# Altium PCB MCU065E1_LAUNCHCC3235MODA_PCB.PcbDoc (part 1 of 4) (continued)
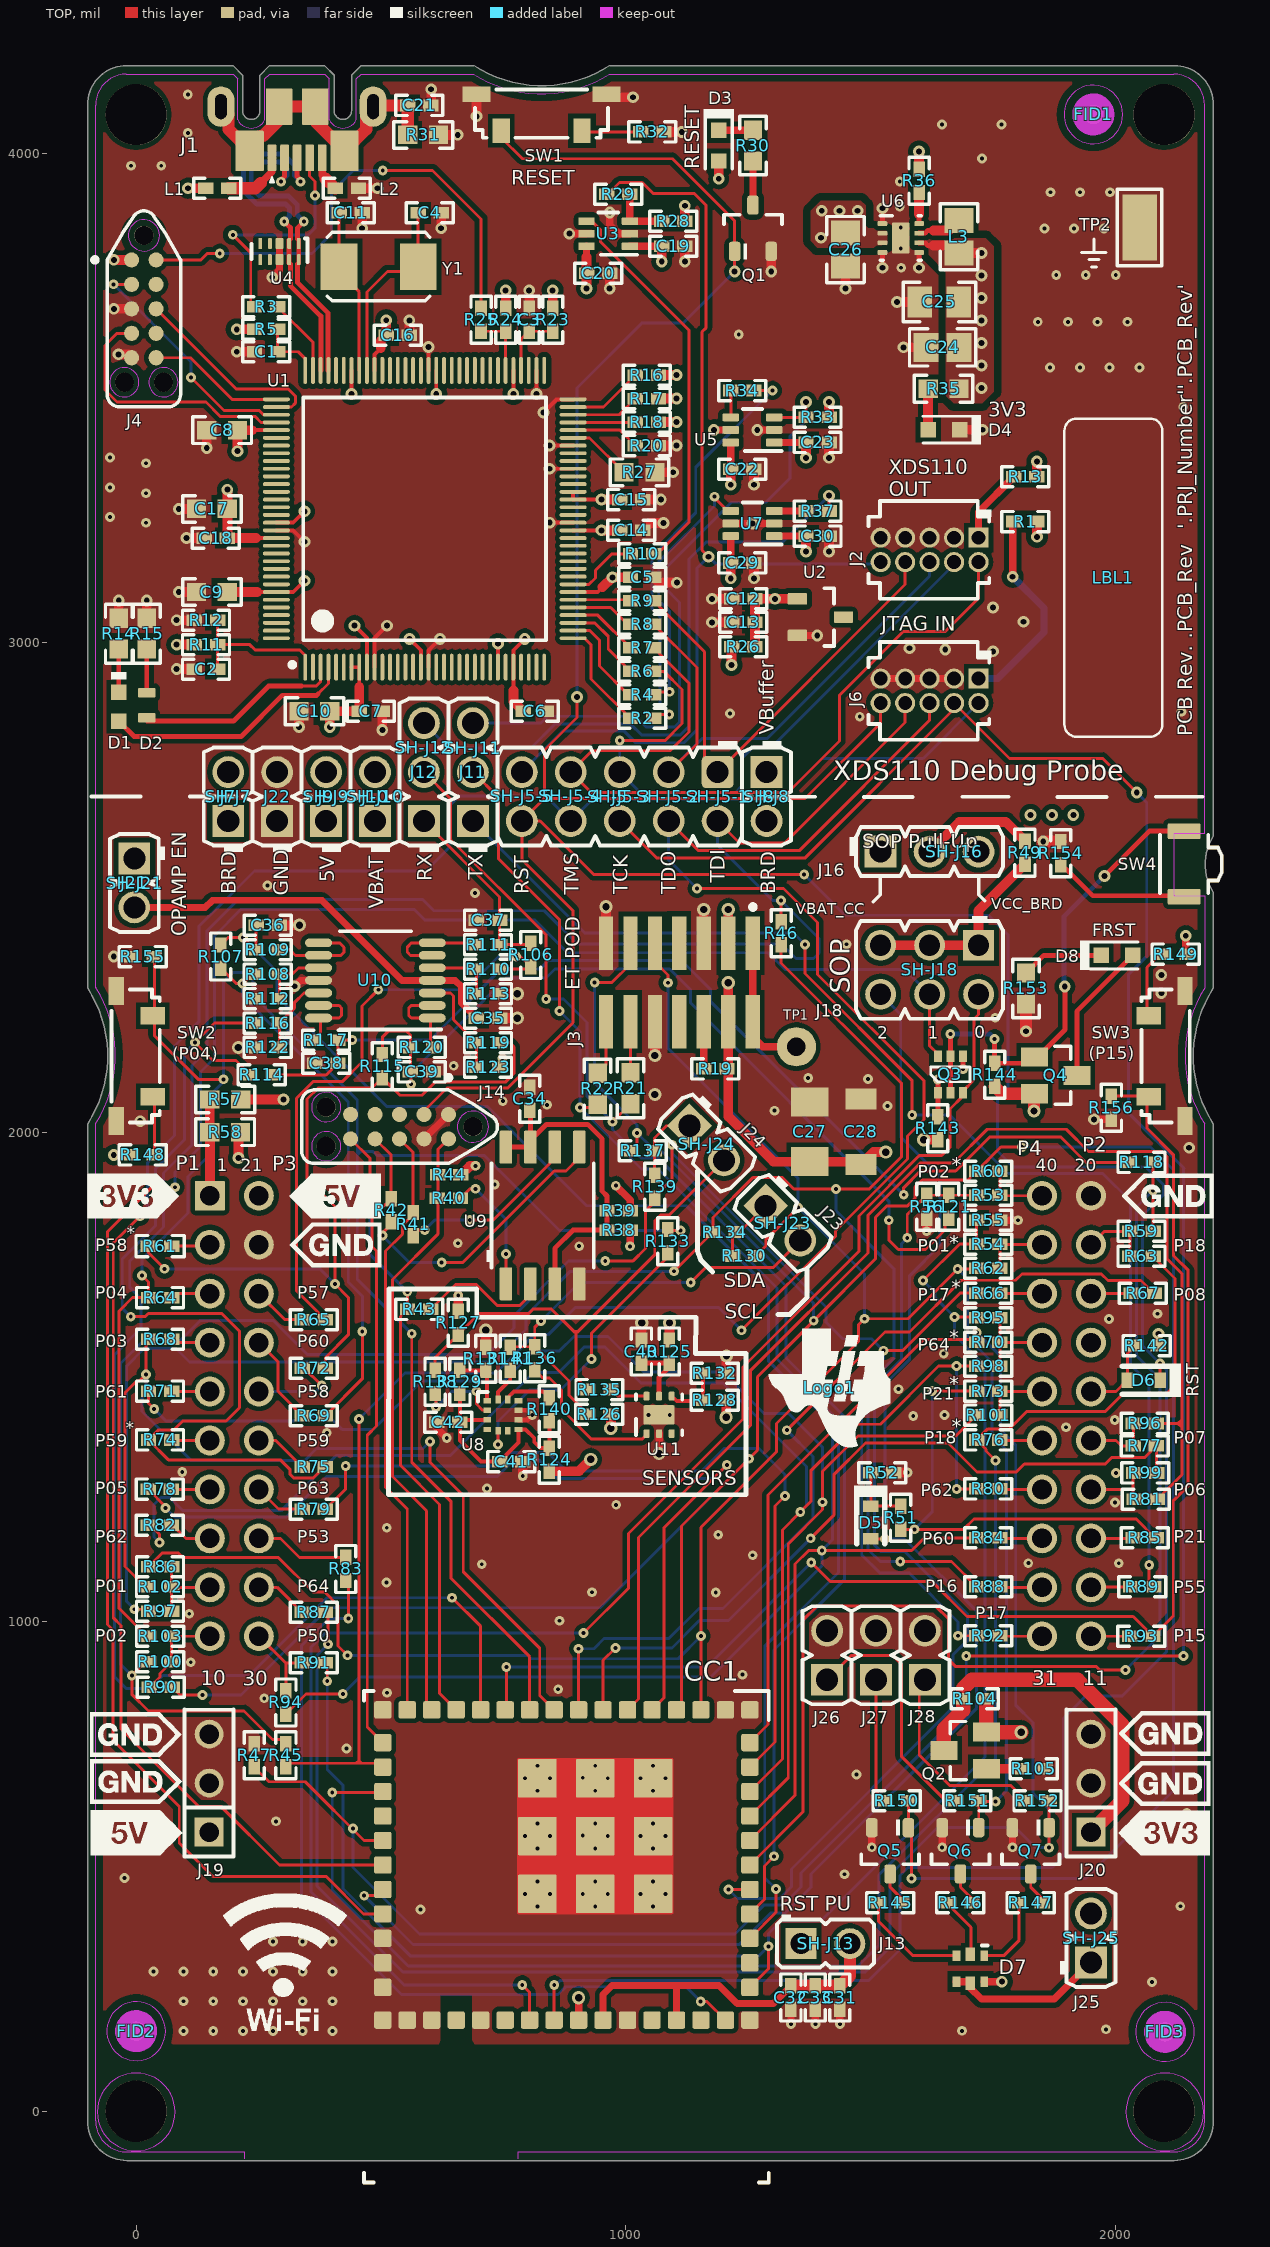
[diagram p0: TOP view]
## Components (designator, comment, footprint, x,y, rotation, side; value= is the part's Value field where it differs from the comment)
C1 "LMK105BJ104KV-F" 0402 265.39,3594.58 r180 top locked value=0.1uF
C2 "CL05B103KO5NNNC" 0402 142.74,2946.17 r180 top locked value=0.01uF
C3 "EMK105BJ105KVHF" 0402 802.91,3660.02 r270 top locked value=1uF
C4 "CL05C220JB5NNNC" 0402 599.56,3878.32 r180 top locked value=22pF
C5 "CL05B103KO5NNNC" 0402 1033.57,3133.64 r0 top locked value=0.01uF
C6 "CL05B103KO5NNNC" 0402 814.28,2860.1 r0 top locked value=0.01uF
C7 "CL05B103KO5NNNC" 0402 479.32,2860.1 r0 top locked value=0.01uF
C8 "06033D104KAT2A" 0603 175.74,3434.35 r180 top locked value=0.1uF
C9 "06033D104KAT2A" 0603 154.87,3103.64 r180 top locked value=0.1uF
C10 "06033D104KAT2A" 0603 364.2,2860.1 r180 top locked value=0.1uF
C11 "CL05C220JB5NNNC" 0402 438.14,3878.32 r180 top locked value=22pF
C12 "CL05B103KO5NNNC" 0402 1240.69,3089.71 r180 top locked value=0.01uF
C13 "EMK105BJ105KVHF" 0402 1240.69,3041.71 r180 top locked value=1uF
C14 "CL05B103KO5NNNC" 0402 1011.33,3229.63 r0 top locked value=0.01uF
C15 "EMK105BJ105KVHF" 0402 1011.33,3292.62 r0 top locked value=1uF
C16 "C1005X5R1C225K050BC" 0402 534.56,3628.25 r0 top locked value=2.2uF
C17 "06033D104KAT2A" 0603 154.87,3273.49 r180 top locked value=0.1uF
C18 "EMK105BJ105KVHF" 0402 162.74,3213.88 r180 top locked value=1uF
C19 "GRM155R61A104KA01D" 0402 1097.38,3810.19 r0 top locked value=0.1uF
C20 "GRM155R61A104KA01D" 0402 943.8,3755.19 r0 top locked value=0.1uF
C21 "GRM155R71C103KA01D" 0402 578.55,4097.66 r0 top locked value=0.01uF
C22 "GRM155R61A104KA01D" 0402 1238.48,3354.19 r0 top locked value=0.1uF
C23 "GRM155R61A104KA01D" 0402 1392.07,3409.19 r0 top locked value=0.1uF
C24 "CMP-0008285-2" 0805 1647.53,3603.53 r180 top locked value=10uF
C25 "CMP-0007826-2" 0805_HV 1640.99,3696.23 r180 top locked value=22uF
C26 "CMP-0008285-2" 0805 1449.43,3803.3 r270 top locked value=10uF
C27 "CMP-0008934-2" 1206_180M 1376.59,2000.85 r90 top value=100uF
C28 "CMP-0008934-2" 1206_180 1480.59,2000.85 r90 top value=100uF
C29 "GRM155R61A104KA01D" 0402 1238.48,3163.01 r0 top locked value=0.1uF
C30 "GRM155R61A104KA01D" 0402 1392.07,3218.01 r0 top locked value=0.1uF
C31 "GRM155R61A104KA01D" 0402 1437.75,232.27 r270 top value=0.1uF
C32 "GRM155R61A104KA01D" 0402 1337.75,232.27 r270 top value=0.1uF
C33 "GRM155R61A104KA01D" 0402 1387.75,232.27 r270 top value=0.1uF
C34 "GRM155R61A104KA01D" 0402 804.3,2068.58 r90 top locked value=0.1uF
C35 "GRM155R61A103KA01D" 0402 718.86,2233.14 r0 top locked value=0.01uF
C36 "GRM155R71C103KA01D" 0402 268.86,2423.14 r0 top locked value=0.01uF
C37 "GRM155R71C103KA01D" 0402 718.86,2433.14 r180 top locked value=0.01uF
C38 "GRM155R71C103KA01D" 0402 388.67,2141.25 r180 top locked value=0.01uF
C39 "GRM155R71C103KA01D" 0402 583.86,2123.14 r0 top locked value=0.01uF
C40 "GRM155R61A104KA01D" 0402 1032.39,1552 r90 top locked value=0.1uF
C41 "GRM155R61A104KA01D" 0402 766.29,1327.19 r0 top locked value=0.1uF
C42 "GRM155R61A104KA01D" 0402 637.9,1407.38 r180 top locked value=0.1uF
CC1 "CC3235MODASM2MONR" MON0063A 878.9,356.38 r270 top
"CE Logo 1" "CE Mark" CE_Mark_5mm 1052.19,170.07 r180 bottom
D1 "SML-LX0603GW-TR" LED_SML-LX0603GW -35.48,2869.36 r90 top locked value=Green
D2 "19-217/R6C-AL1M2VY/3T" 19-217_R6C-AL1M2VY_3T_Red 21.67,2872.31 r90 top value=Red
D3 "CMP-0002892-2" WL-SMCW_YELLOW 1190.14,4015.76 r270 top locked value=Yellow
D4 "CMP-0002871-1" SML-31_Red 1650.48,3435.27 r180 top locked value=Red
D5 "CDBU00340" SOD-523F 1500.95,1202.57 r270 top value=45V
D6 "CDBU00340" SOD-523F 2058.46,1493.18 r180 top locked value=45V
D7 "19-337/R6GHBHC-A01/2T" 19-337_RGB 1704.35,291.19 r270 top value=RGB
D8 "CMP-0002871-1" SML-31_Red 2003.8,2361.41 r0 top locked value=Red
FID1 "CMP-0077181-1" Fiducial10-20 1955.64,4079.33 r90 top
FID2 "CMP-0077181-1" Fiducial10-20 0,163.48 r90 top
FID3 "CMP-0077181-1" Fiducial10-20 2101.9,162.18 r90 top
H1 "MAE-10" KY_MAE-10 0,4079 r180 bottom
H2 "MAE-10" KY_MAE-10 2100,4079 r180 bottom
H3 "MAE-10" KY_MAE-10 0,0 r180 bottom
H4 "MAE-10" KY_MAE-10 2100,0 r180 bottom
J1 "1051640001" Molex_1051640001 328.79,4152.47 r180 top
J2 "CMP-0075533-1" Samtec_FTSH-105-01-x-D-K 1621,3189.86 r270 top locked
J3 "CMP-0055564-1" Samtec_FTSH-107-01-x-DV 1109.79,2305.95 r270 top locked
J4 "CMP-0075101-1" Tag_TC2050-NL 15.79,3682.26 r0 top
J5 "61301021121" WURTH_61301021121 988,2685.86 r180 top locked
J6 "CMP-0075533-1" Samtec_FTSH-105-01-x-D-K 1621,2901.86 r270 top locked
J7 "CMP-0054794-1" WURTH_61300211121 188,2685.86 r90 top locked
J8 "CMP-0054794-1" WURTH_61300211121 1288,2685.86 r270 top locked
J9 "CMP-0054794-1" WURTH_61300211121 388,2685.86 r90 top locked
J10 "CMP-0054794-1" WURTH_61300211121 488,2685.86 r90 top locked
J11 "61300311121" WURTH_61300311121 688,2735.86 r90 top locked
J12 "61300311121" WURTH_61300311121 588,2735.86 r90 top locked
J13 "961102-6404-AR" 3M_961102-6404-AR 1408.24,342.43 r0 top locked
J14 "TC2050-IDC-NL-FP" Tag_TC2050-NL 538.2,2011.38 r270 top locked
J16 "CMP-0054796-1" WURTH_61300311121 1621,2573.25 r0 top
J18 "61300621121" Wurth_61300621121 1621,2331.86 r270 top locked
J19 "PEC03SAAN" CONN_PEC03SAAN 149.2,670.26 r90 top locked
J20 "PEC03SAAN" CONN_PEC03SAAN 1950.7,670.26 r90 top locked
J21 "CMP-0054794-1" WURTH_61300211121 -3.7,2509.28 r270 top locked
J22 "61300211121" WURTH_61300211121 288,2685.86 r90 top locked
J23 "61300211121" WURTH_61300211121 1321.4,1814.18 r315 top locked
J24 "61300211121" WURTH_61300211121 1165.6,1977.88 r315 top locked
J25 "CMP-0054794-1" WURTH_61300211121 1950.7,354 r90 top locked
J26 "61300211121" WURTH_61300211121 1411.5,931.5 r90 top locked
J27 "61300211121" WURTH_61300211121 1511.5,931.5 r90 top locked
J28 "61300211121" WURTH_61300211121 1611.5,931.5 r90 top locked
L1 "BLM15AG100SN1D" 0402 165.68,3928.5 r180 top locked value="10 ohm"
L2 "BLM15AG100SN1D" 0402 430.63,3928.5 r0 top locked value="10 ohm"
L3 "CMP-0059580-1" 0805 1680.99,3829.62 r270 top locked value=2.2uH
LBL1 "Size: 0.65\" x 0.20 \"" Label_650x200 1996.45,3133.05 r90 top
Logo1 "Texas Instruments" TI_Symbol_Overlay_Medium 1416.53,1477.98 r0 top
Logo2 "ESD Susceptible" ESD_Overlay_Medium 1585.52,174.23 r180 bottom
Logo3 "WEEE" WEEE_Minimum 527.54,237.97 r180 bottom
Logo4 "FCC disclaimer" FCC_disclaimer 2185.5,7507.55 r180 bottom locked
P1 "SSQ-110-03-T-D" BoosterPack_40pin_J1J3 200.7,1420.26 r180 bottom locked
P2 "SSQ-110-03-T-D" BoosterPack_40pin_J2J4 1900.7,1420.26 r180 bottom locked
Q1 "BSS138" SOT-23 1260.14,3847.02 r90 top locked value=50V
Q2 "FDN358P" SSOT-3 1693.52,737.12 r90 top locked value=-30V
Q3 "BSS84DW-7-F" SOT-363 1663.37,2118.12 r90 top locked value=-50V
Q4 "FDN358P" SSOT-3 1878.61,2116.1 r270 top locked value=-30V
Q5 "BSS138" SOT-23 1540.43,531.98 r270 top locked value=50V
Q6 "BSS138" SOT-23 1684.05,531.98 r270 top locked value=50V
Q7 "BSS138" SOT-23 1827.68,531.98 r270 top locked value=50V
R1 "CMP-0026852-3" 0402 1816.72,3247.73 r180 top locked value=1.0k
R2 "ERJ-2RKF33R0X" 0402 1033.57,2845.64 r180 top locked value=33.0
R3 "ERJ-2GE0R00X" 0402 265.39,3686.18 r180 top locked value=0
R4 "ERJ-2RKF33R0X" 0402 1033.57,2893.64 r180 top locked value=33.0
R5 "CRCW0402100RJNED" 0402 265.39,3640.38 r180 top locked value=100
R6 "ERJ-2RKF33R0X" 0402 1033.57,2941.64 r180 top locked value=33.0
R7 "ERJ-2RKF33R0X" 0402 1033.57,2989.64 r180 top locked value=33.0
R8 "ERJ-2RKF33R0X" 0402 1033.57,3037.64 r180 top locked value=33.0
R9 "ERJ-2RKF33R0X" 0402 1033.57,3085.64 r180 top locked value=33.0
R10 "ERJ-2RKF33R0X" 0402 1033.57,3181.64 r180 top locked value=33.0
R11 "CRCW0402330KJNED" 0402 142.74,2996.17 r180 top locked value=330k
R12 "CRCW0402220KJNED" 0402 142.74,3046.17 r0 top locked value=220k
R13 "CMP-0026852-3" 0402 1816.46,3338.87 r180 top locked value=1.0k
R14 "CRCW0603220RJNEA" 0603 -35.48,3018.53 r270 top locked value=220
R15 "CRCW0603220RJNEA" 0603 21.67,3018.53 r270 top locked value=220
R16 "CRCW04021K00JNED" 0402 1043.57,3546.89 r0 top locked value=1.0k
R17 "CRCW04021K00JNED" 0402 1043.57,3498.89 r0 top locked value=1.0k
R18 "CRCW04021K00JNED" 0402 1043.57,3450.89 r0 top locked value=1.0k
R19 "CMP-0026852-3" 0402 1183.41,2129.33 r0 top locked value=1.0k
R20 "CRCW04021K00JNED" 0402 1043.57,3402.89 r0 top locked value=1.0k
R21 "CMP-0025787-4" 0603 1009.79,2089.95 r90 top locked value=33
R22 "CMP-0025787-4" 0603 942.79,2088.95 r90 top locked value=33
R23 "CRCW040251R0JNED" 0402 850.91,3660.02 r270 top locked value=51
R24 "CRCW040210K0JNED" 0402 754.91,3660.02 r90 top locked value=10k
R25 "CRCW0402100RFKED" 0402 704.56,3660.02 r270 top locked value=100
R26 "CRCW04021K00JNED" 0402 1240.11,2992.2 r180 top locked value=1.0k
R27 "CRCW06034K87FKEA" 0603 1028.31,3348.25 r180 top locked value=4.87k
R28 "CRCW0402100KJNED" 0402 1097.38,3861.37 r0 top locked value=100k
R29 "CRCW040210K0JNED" 0402 985.14,3916.37 r0 top locked value=10k
R30 "CMP-0025765-4" 0603 1260.14,4015.76 r90 top locked value=270
R31 "CRCW0603100KJNEAC" 0603 586.43,4037.66 r180 top locked value=100k
R32 "CMP-0026656-1" 0402 1054.6,4043.62 r180 top locked value=100
R33 "CRCW0402100KJNED" 0402 1392.07,3460.37 r0 top locked value=100k
R34 "ERJ-2RKF33R0X" 0402 1238.48,3515.37 r0 top locked value=33.0
R35 "CMP-0025765-4" 0603 1649.49,3519.06 r180 top locked value=270
R36 "CMP-0026823-3" 0402 1599.51,3943.5 r90 top locked value=100k
R37 "ERJ-2RKF33R0X" 0402 1392.07,3269.19 r180 top locked value=33.0
R38 "ERJ-2GE0R00X" 0402 985.5,1800.18 r0 top locked value=0
R39 "ERJ-2GE0R00X" 0402 985.5,1839.98 r0 top locked value=0
R40 "ERJ-2GE0R00X" 0402 639.03,1865.18 r0 top locked value=0
R41 "ERJ-2GE0R00X" 0402 565.94,1812.42 r270 top locked value=0
R42 "ERJ-2GE0R00X" 0402 521.02,1840.8 r270 top locked value=0
R43 "ERJ-2GE0R00X" 0402 578,1638 r0 top locked value=0
R44 "CRCW0402100KDHEDP" 0402 639.93,1913.28 r180 top locked value=100k
R45 "ERJ-2GE0R00X" 0402 306,727 r270 top locked value=0
R46 "ERJ-2GE0R00X" 0402 1317.6,2406.48 r90 top locked value=0
R47 "CRCW0402100KJNED" 0402 241,727 r270 top locked value=100k
R49 "CRCW040210K0JNED" 0402 1815.91,2571.22 r90 top locked value=10k
R51 "CRCW04022K20JNED" 0402 1561.65,1212.41 r270 top value=2.2k
R52 "CRCW040210K0JNED" 0402 1524.57,1304.23 r180 top value=10k
R53 "RC0402JR-070RL" 0402 1740.79,1871.27 r0 top locked value=0
R54 "RC0402JR-070RL" 0402 1740.79,1771.27 r0 top locked value=0
R55 "CMP-0026823-3" 0402 1740.79,1820.27 r0 top locked value=100k
R56 "CMP-0026823-3" 0402 1615,1847.65 r270 top locked value=100k
R57 "CMP-0025874-3" 0603 182.08,2066.92 r180 top locked value=0
R58 "CMP-0025874-3" 0603 181.86,2000.15 r180 top locked value=0
R59 "RC0402JR-070RL" 0402 2053.93,1797.42 r0 top locked value=0
R60 "RC0402JR-070RL" 0402 1740.79,1920.27 r0 top locked value=0
R61 "RC0402JR-070RL" 0402 48.7,1767.51 r0 top value=0
R62 "RC0402JR-070RL" 0402 1740.79,1722.27 r0 top locked value=0
R63 "RC0402JR-070RL" 0402 2053.9,1746.34 r0 top locked value=0
R64 "RC0402JR-070RL" 0402 48.79,1662.26 r0 top locked value=0
R65 "RC0402JR-070RL" 0402 363,1617 r0 top locked value=0
R66 "RC0402JR-070RL" 0402 1740.79,1671.27 r0 top locked value=0
R67 "RC0402JR-070RL" 0402 2056.87,1671.27 r0 top locked value=0
R68 "RC0402JR-070RL" 0402 48.79,1577.26 r0 top locked value=0
R69 "RC0402JR-070RL" 0402 363,1421 r0 top locked value=0
R70 "RC0402JR-070RL" 0402 1740.79,1571.27 r0 top locked value=0
R71 "RC0402JR-070RL" 0402 48.79,1471.26 r0 top locked value=0
R72 "RC0402JR-070RL" 0402 363,1518 r0 top locked value=0
R73 "RC0402JR-070RL" 0402 1740.79,1471.27 r0 top locked value=0
R74 "RC0402JR-070RL" 0402 48.79,1371.26 r0 top locked value=0
R75 "RC0402JR-070RL" 0402 363,1316.14 r0 top locked value=0
R76 "RC0402JR-070RL" 0402 1740.79,1371.27 r0 top locked value=0
R77 "RC0402JR-070RL" 0402 2060.79,1359.09 r0 top locked value=0
R78 "RC0402JR-070RL" 0402 48,1271 r0 top locked value=0
R79 "RC0402JR-070RL" 0402 363,1230 r0 top locked value=0
R80 "RC0402JR-070RL" 0402 1740.79,1271.27 r0 top locked value=0
R81 "RC0402JR-070RL" 0402 2062.8,1250.48 r0 top locked value=0
R82 "RC0402JR-070RL" 0402 48,1197 r0 top locked value=0
R83 "RC0402JR-070RL" 0402 428,1107.76 r270 top locked value=0
R84 "RC0402JR-070RL" 0402 1740.79,1171.27 r0 top locked value=0
R85 "RC0402JR-070RL" 0402 2060.79,1171.27 r0 top locked value=0
R86 "RC0402JR-070RL" 0402 48.79,1112.26 r0 top locked value=0
R87 "RC0402JR-070RL" 0402 363,1019 r0 top locked value=0
R88 "RC0402JR-070RL" 0402 1740.79,1071.27 r0 top locked value=0
R89 "RC0402JR-070RL" 0402 2055.79,1071.27 r0 top locked value=0
R90 "RC0402JR-070RL" 0402 50,866 r180 top locked value=0
R91 "RC0402JR-070RL" 0402 363,916 r0 top locked value=0
R92 "RC0402JR-070RL" 0402 1740.79,971.27 r0 top locked value=0
R93 "RC0402JR-070RL" 0402 2053.79,970.26 r0 top locked value=0
R94 "RC0402JR-070RL" 0402 306,835 r270 top locked value=0
R95 "RC0402JR-070RL" 0402 1740.79,1621.27 r0 top locked value=0
R96 "RC0402JR-070RL" 0402 2060.79,1404.97 r0 top locked value=0
R97 "RC0402JR-070RL" 0402 48.79,1021.26 r0 top locked value=0
R98 "RC0402JR-070RL" 0402 1740.79,1522.27 r0 top locked value=0
R99 "RC0402JR-070RL" 0402 2061.2,1303.88 r0 top locked value=0
R100 "RC0402JR-070RL" 0402 49,918 r0 top locked value=0
R101 "RC0402JR-070RL" 0402 1740.79,1422.27 r0 top locked value=0
R102 "RC0402JR-070RL" 0402 48.79,1071.26 r0 top locked value=0
R103 "RC0402JR-070RL" 0402 49,970 r0 top locked value=0
R104 "ERJ-2GE0R00X" 0402 1713.21,842.33 r0 top locked value=0
R105 "ERJ-2GE0R00X" 0402 1833.84,699.71 r0 top locked value=0
R106 "RC0402JR-070RL" 0402 805.86,2362.14 r90 top locked value=0
R107 "RC0402JR-070RL" 0402 173.06,2358.99 r90 top locked value=0
R108 "CRCW0402576KFKED" 0402 268.86,2323.14 r0 top locked value=576k
R109 "ERJ-2RKF4700X" 0402 268.86,2373.14 r180 top locked value=470
R110 "CRCW0402576KFKED" 0402 718.86,2333.14 r180 top locked value=576k
R111 "ERJ-2RKF4700X" 0402 718.86,2383.14 r0 top locked value=470
R112 "CRCW0402422KFKED" 0402 268.86,2273.14 r0 top locked value=422k
R113 "CRCW0402422KFKED" 0402 718.86,2283.14 r180 top locked value=422k
R114 "RC0402JR-070RL" 0402 256.86,2117.14 r0 top locked value=0
R115 "RC0402JR-070RL" 0402 502.86,2135.14 r90 top locked value=0
R116 "CRCW0402576KFKED" 0402 268.86,2223.14 r0 top locked value=576k
R117 "ERJ-2RKF4700X" 0402 387.86,2187.84 r0 top locked value=470
R118 "RC0402JR-070RL" 0402 2053.97,1938.27 r0 top locked value=0
R119 "CRCW0402576KFKED" 0402 718.86,2183.14 r180 top locked value=576k
R120 "ERJ-2RKF4700X" 0402 583.86,2173.14 r180 top locked value=470
R121 "RC0402JR-070RL" 0402 1660,1847.65 r90 top locked value=0
R122 "CRCW0402422KFKED" 0402 268.86,2173.14 r0 top locked value=422k
R123 "CRCW0402422KFKED" 0402 718.86,2133.14 r180 top locked value=422k
R124 "ERJ-2GE0R00X" 0402 844.29,1331.19 r90 top locked value=0
R125 "ERJ-2GE0R00X" 0402 1089.39,1552 r90 top locked value=0
R126 "CRCW04023K30JNED" 0402 946.29,1424.19 r0 top locked value=3.3k
R127 "CRCW04023K30JNED" 0402 658.02,1610.43 r90 top locked value=3.3k
R128 "ERJ-2GE0R00X" 0402 1182.01,1452.64 r0 top value=0
R129 "ERJ-2GE0R00X" 0402 661.52,1489.94 r270 top value=0
R130 "ERJ-2GE0R00X" 0402 1242.1,1747.18 r180 top value=0
R131 "ERJ-2GE0R00X" 0402 714.29,1537.19 r90 top locked value=0
R132 "ERJ-2GE0R00X" 0402 1182.01,1507.79 r180 top value=0
R133 "ERJ-2GE0R00X" 0402 1085.9,1777.68 r270 top locked value=0
R134 "ERJ-2GE0R00X" 0402 1202.4,1796.18 r0 top locked value=0
R135 "ERJ-2GE0R00X" 0402 946.55,1474.4 r180 top locked value=0
R136 "ERJ-2GE0R00X" 0402 814.29,1538.19 r90 top locked value=0
R137 "ERJ-2GE0R00X" 0402 1035.3,1962.08 r0 top locked value=0
R138 "ERJ-2GE0R00X" 0402 610.62,1489.94 r90 top value=0
R139 "ERJ-2GE0R00X" 0402 1059.3,1888.38 r90 top locked value=0
R140 "ERJ-2GE0R00X" 0402 844.29,1434.19 r270 top locked value=0
R141 "ERJ-2GE0R00X" 0402 764.29,1537.19 r90 top locked value=0
R142 "CRCW0402100KJNED" 0402 2064.83,1564.25 r0 top locked value=100k
R143 "CRCW040210K0JNED" 0402 1637.78,2008.3 r270 top locked value=10k
R144 "ERJ-2RKF1003X" 0402 1753.78,2117.26 r270 top locked value=100k
R145 "CRCW0402261RFKED" 0402 1540.43,426.22 r180 top locked value=261
R146 "CRCW0402309RFKED" 0402 1684.05,426.22 r180 top locked value=309
R147 "CRCW0402200RJNED" 0402 1827.68,426.22 r180 top locked value=200
R148 "CRCW04021K00JNED" 0402 13.54,1953.6 r180 top locked value=1.0k
R149 "CRCW04021K00JNED" 0402 2123.66,2364.02 r0 top locked value=1.0k
R150 "CRCW0402100KJNED" 0402 1554.21,634.22 r0 top locked value=100k
R151 "CRCW0402100KJNED" 0402 1697.83,634.22 r0 top locked value=100k
R152 "CRCW0402100KJNED" 0402 1841.45,634.22 r0 top locked value=100k
R153 "CRCW0603270RJNEA" 0603 1817.89,2293.66 r90 top locked value=270
R154 "CRCW04021K00JNED" 0402 1888.8,2570.35 r270 top locked value=1.0k
R155 "CRCW040210K0JNED" 0402 13.54,2358.95 r0 top locked value=10k
R156 "CRCW040210K0JNED" 0402 1992.54,2049.98 r90 top locked value=10k
SH-J5-1 "Place J5: 1-2" SNT-100-BK-G 1188.32,2685.09 r90 top value=1x2
SH-J5-2 "Place J5: 3-4" SNT-100-BK-G 1087.31,2685.63 r90 top value=1x2
SH-J5-3 "Place J5: 5-6" SNT-100-BK-G 987.25,2685.49 r90 top value=1x2
SH-J5-4 "Place J5: 7-8" SNT-100-BK-G 887.28,2686.15 r90 top value=1x2
SH-J5-5 "Place J5: 9-10" SNT-100-BK-G 787.92,2685.97 r90 top value=1x2
SH-J7 "Place J7: 2-3" SNT-100-BK-G 187.99,2685.87 r90 top value=1x2
SH-J8 "Place J8: 2-3" SNT-100-BK-G 1288.77,2685.21 r90 top value=1x2
SH-J9 "Place J9: 1-2" SNT-100-BK-G 387.99,2685.87 r90 top value=1x2
SH-J10 "Place J10: 1-2" SNT-100-BK-G 487.99,2685.87 r90 top value=1x2
SH-J11 "Place J11: 2-3" SNT-100-BK-G 688.18,2784.66 r90 top value=1x2
SH-J12 "Place J12: 2-3" SNT-100-BK-G 587.75,2785.34 r90 top value=1x2
SH-J13 "Place J13: 1-2" SNT-100-BK-G 1409.03,342.43 r180 top value=1x2
SH-J16 "Place J16: 2-3" SNT-100-BK-G 1671.79,2572.93 r180 top value=1x2
SH-J18 "Place J18: 3-4" SNT-100-BK-G 1621.5,2332.03 r90 top value=1x2
SH-J21 "Place J21: 1-2" SNT-100-BK-G -3.25,2508.7 r90 top value=1x2
SH-J23 "Place J23: 1-2" SNT-100-BK-G 1320.7,1813.87 r135 top value=1x2
SH-J24 "Place J24: 1-2" SNT-100-BK-G 1166.12,1975.86 r135 top value=1x2
SH-J25 "Place J25: 1-2" SNT-100-BK-G 1951.36,353.46 r90 top value=1x2
SW1 "TL3330AF260QG" SW_TL3330 828.3,4080.84 r180 top
SW2 "TL3330AF260QG" SW_TL3330 -1.05,2155.53 r270 top
SW3 "TL3330AF260QG" SW_TL3330 2103.4,2155.53 r90 top
SW4 "B3U-3000P" SW_B3U-3000P 2141,2548 r180 top
"TI Logo 1" "Texas Instruments" TI_Stacked_Overlay_Medium 1045.38,1440.05 r180 bottom
TP1 "CMP-0078143-2" TESTPOINT 1348.79,2174.63 r180 top locked
TP2 "5015" Testpoint_Keystone_Miniature 2050.51,3848.13 r270 top
U1 "MSP432E401YTPDT" PDT0128A 589.56,3253.25 r90 top locked
U2 "LM4040B25IDBZR" DBZ0003A_N 1398.04,3052.32 r0 top locked
U3 "SN74LVC1T45DCKR" DCK0006A_N 964.47,3835.78 r180 top locked
U4 "TPD4S010DQAR" DQA0010A 292.91,3799.23 r270 top locked
U5 "SN74LVC1T45DCKR" DCK0006A_N 1259.15,3434.78 r180 top locked
U6 "CMP-0037789-2" DSG0008A 1562.11,3826.93 r0 top locked
U7 "SN74LVC1T45DCKR" DCK0006A_N 1259.15,3243.6 r180 top locked
U8 "BMA280" 12LGA 749.29,1422.19 r0 top locked
U9 "MX25R6435FM2IL0" SOP-8_200MIL 830.4,1829.88 r90 top locked
U10 "OPA4342EA/250" PW0014A_N 488.86,2310.14 r180 top locked
U11 "TMP116AIDRVR" DRV0006A 1068.39,1422.6 r90 top locked
Y1 "CMP-0004648-3" XTAL_ABM3 495.23,3768.32 r0 top locked
ZZ1 "These assemblies are ESD sensitive, ESD precautions shall be observed." AssemblyNote -1057.06,4806.27 r0 top
ZZ2 "These assemblies must be clean and free from flux and all contaminants. Use of no clean flux is not acceptable." AssemblyNote -1059.52,4730.66 r0 top
ZZ3 "These assemblies must comply with workmanship standards IPC-A-610 Class 2, unless otherwise specified." AssemblyNote -1059.08,4651.18 r0 top
ZZ4 "INDICATION FOR COMPONENTS D* (EXCEPT D3) ARE GIVEN AT THEIR CATHODE SIDE." AssemblyNote -1058.46,4570.97 r0 top
ZZ5 "This Assembly Note is for PCB labels only" AssemblyNoteLabel -1056.35,4495.94 r0 top
ZZ6 "Place a click-in Standoff (MAE-10, KangYang) in mounting hole #1 (0mil,4079mil) and mounting hole #2 (2100mil,4079mil) at the top of the board." AssemblyNote -1056.57,4423.83 r0 top
ZZ7 "Place a click-in Standoff (MAE-10, KangYang) in mounting hole #3 (0mil,0mil) and mounting hole #4 (2100mil,0mil) at the bottom of the board." AssemblyNote -1060.89,4341.9 r0 top

## Footprints (in the part's own frame and the unit in brackets; to place one, negate y for a bottom-side part, rotate by r counter-clockwise, add the part's x,y. Pads: shape width x height; smd on the part's side, far side on the other; paste and mask are expansions set on the pad)
3M_961102-6404-AR [mm] "Header, 2.54mm, 2x1, TH"
  rect 1.6x1.6 hole 1.1 mask+0.064: 1(-1.27,0)
  round 1.6 hole 1.1 mask+0.064: 2(1.27,0)
  silkscreen extent -2.52,-1.25 2.52,1.5, body extent -2.52,-1.25 2.52,1.25, height 8.5
12LGA [mm] "LGA, 12-Leads, Body 2x2mm, Pitch 0.5mm"
  rect 0.41x0.28 smd: 1(-0.815,0.75) 2(-0.815,0.25) 3(-0.815,-0.25) 4(-0.815,-0.75) 7(0.815,-0.75) 8(0.815,-0.25) 9(0.815,0.25) 10(0.815,0.75)
  rect 0.28x0.41 smd: 5(-0.25,-0.815) 6(0.25,-0.815) 11(0.25,0.815) 12(-0.25,0.815)
  silkscreen extent -1.3,0.7 -0.8,1.2, body extent -1,-1 1,1, height 1.01
19-217_R6C-AL1M2VY_3T_Red [mm] "SMD, 2-Leads, Body 1.6x0.8mm"
  rrect20% 0.5x0.9 smd: 1(-0.65,0) 2(0.65,0)
  body extent -0.85,-0.45 0.85,0.45, height 0.5
19-337_RGB [mm] "SMD, 6-Leads, Body 1.6x1.6mm"
  rect 0.55x0.4 smd: 1(-0.675,0.725) 3(-0.675,-0.725) 4(0.675,0.725) 6(0.675,-0.725)
  rect 0.7x0.5 smd: 2(-0.75,0) 5(0.75,0)
  silkscreen extent -1.2,0.6 -1.2,0.9, body extent -0.85,-0.85 0.85,0.85, height 0.35
0402 [mm] "0402 from SM-752 data"
  rect 0.8x0.6 smd: 1(-0.6,0) 2(0.6,0)
  silkscreen extent -1.22,-0.52 1.22,0.52, body extent -0.55,-0.3 0.55,0.3, height 0.6
0603 [mm] "0603 from SM-752 data"
  rect 1x0.95 smd: 1(-0.8,0) 2(0.8,0)
  silkscreen extent -1.52,-0.69 1.52,0.69, body extent -0.87,-0.47 0.87,0.47, height 1
0805 [mm] "0805 from SM-752 data"
  rect 1.3x1.5 smd: 1(-0.85,0) 2(0.85,0)
  silkscreen extent -1.72,-0.97 1.72,0.97, body extent -1.1,-0.72 1.1,0.72, height 1.45
0805_HV [mil] "0805 with 30mil clearance between pads"
  rect 50x63 smd: 1(-40,0) 2(40,0)
  silkscreen extent -74,-40 74,40, body extent -43,-29 43,29, height 57
1206_180 [mm] "1206_180"
  rect 1.1x1.6 smd: 1(-1.7,0) 2(1.7,0)
  body extent -1.75,-0.95 1.75,0.95, height 1.8
1206_180M [mm] "1206_180"
  rect 1.5x1.95 smd: 1(-1.55,0) 2(1.55,0)
  body extent -1.75,-0.95 1.75,0.95, height 1.8
AssemblyNote [mil] "Assembly Note"
AssemblyNoteLabel [mil] "Assembly Note for PCB Labels"
BoosterPack_40pin_J1J3 [mm] "Receptacle, 2.54mm, 10x2, TH"
  rrect6% 1.55x1.55 hole 1.02 mask+0.064: 1(1.27,11.43)
  round 1.55 hole 1.02 mask+0.064: 2(1.27,8.89) 3(1.27,6.35) 4(1.27,3.81) 5(1.27,1.27) 6(1.27,-1.27) 7(1.27,-3.81) 8(1.27,-6.35) 9(1.27,-8.89) 10(1.27,-11.43) 21(-1.27,11.43) 22(-1.27,8.89) 23(-1.27,6.35) 24(-1.27,3.81) 25(-1.27,1.27) 26(-1.27,-1.27) 27(-1.27,-3.81) 28(-1.27,-6.35) 29(-1.27,-8.89) 30(-1.27,-11.43)
  silkscreen extent -7.62,-12.95 7.62,12.95, body extent -2.48,-12.95 2.48,12.95, height 8.51
BoosterPack_40pin_J2J4 [mm] "Receptacle, 2.54mm, 10x2, TH"
  round 1.55 hole 1.02 mask+0.064: 11(-1.27,-11.43) 12(-1.27,-8.89) 13(-1.27,-6.35) 14(-1.27,-3.81) 15(-1.27,-1.27) 16(-1.27,1.27) 17(-1.27,3.81) 18(-1.27,6.35) 19(-1.27,8.89) 20(-1.27,11.43) 31(1.27,-11.43) 32(1.27,-8.89) 33(1.27,-6.35) 34(1.27,-3.81) 35(1.27,-1.27) 36(1.27,1.27) 37(1.27,3.81) 38(1.27,6.35) 39(1.27,8.89) 40(1.27,11.43)
  silkscreen extent -7.62,-12.95 2.48,12.95, body extent -2.48,-12.95 2.48,12.95, height 8.51
CE_Mark_5mm [mil] "Minimum text height for CE Mark"
  silkscreen extent -138,-98 138,98
CONN_PEC03SAAN [mm] "SULLINS"
  rect 1.5x1.5 hole 1.016 mask+0.064: 1(-2.54,0)
  round 1.5 hole 1.016 mask+0.064: 2(0,0) 3(2.54,0)
  silkscreen extent -3.81,-1.27 3.81,1.27, body extent -3.84,-1.3 3.84,1.3, height 8.38
DBZ0003A_N [mm] "SOT23, 3-Leads, Body 2.9x1.3mm, Pitch 0.95mm, Lead Span 2.4mm, IPC Medium Density"
  rrect17% 1x0.6 smd: 1(-1.2,0.95) 2(-1.2,-0.95) 3(1.2,0)
  silkscreen extent 0.2,-1.5 0.7,1.5, body extent -1.26,-1.46 1.26,1.46, height 0.98
DCK0006A_N [mm] "SOT23, 6-Leads, Body 2x1.3mm, Pitch 0.65mm, Lead Span 2.1mm, IPC Medium Density"
  rrect25% 0.85x0.4 smd: 1(-1.125,0.65) 2(-1.125,0) 3(-1.125,-0.65) 4(1.125,-0.65) 5(1.125,0) 6(1.125,0.65)
  silkscreen extent -1.5,-1.09 0.51,1.09, body extent -1.14,-1 1.14,1, height 0.95
DQA0010A [mm] "SON, 10-Leads, Body 1x2.5mm, Pitch 0.5mm, TI Recommended"
  rrect50% 0.565x0.2 smd: 1(-0.417,1) 2(-0.417,0.5) 4(-0.417,-0.5) 5(-0.417,-1) 6(0.417,-1) 7(0.417,-0.5) 9(0.417,0.5) 10(0.417,1)
  rrect28% 0.565x0.36 on Top Paste: 3(-0.417,0) 8(0.417,0)
  rrect25% 0.565x0.4 smd paste-0.2: 3(-0.417,0) 8(0.417,0)
  silkscreen extent -0.67,-1.45 0.55,1.45, body extent -0.55,-1.3 0.55,1.3, height 0.56
DRV0006A [mm] "SON, 6-Leads, Body 2x2mm, Pitch 0.65mm, Thermal Pad 1.6x1mm, TI Recommended"
  rrect33% 0.45x0.3 smd: 1(-0.975,0.65) 2(-0.975,0) 3(-0.975,-0.65) 4(0.975,-0.65) 5(0.975,0) 6(0.975,0.65)
  rrect14% 1x0.7 on Top Paste: 7(0,0.45) 7(0,-0.45)
  rrect10% 1x1.6 smd paste-0.5: 7(0,0)
  silkscreen extent -1.05,-1.2 1.05,1.2, body extent -1.05,-1.05 1.05,1.05, height 0.81
DSG0008A [mm] "SON, 8-Leads, Body 2x2mm, Pitch 0.5mm, Thermal Pad 1.6x0.9mm, TI Recommended"
  rrect40% 0.5x0.25 smd: 1(-0.95,0.75) 2(-0.95,0.25) 3(-0.95,-0.25) 4(-0.95,-0.75) 5(0.95,-0.75) 6(0.95,-0.25) 7(0.95,0.25) 8(0.95,0.75)
  rrect14% 0.9x0.7 on Top Paste: 9(0,-0.45) 9(0,0.45)
  rrect11% 0.9x1.6 smd paste-0.45: 9(0,0)
  silkscreen extent -1.07,-1.15 1.07,1.15, body extent -1,-1 1,1, height 0.77
ESD_Overlay_Medium [mil]
  silkscreen extent -127,-109 125,110
FCC_disclaimer [mil]
Fiducial10-20 [mm]
  round 1 smd mask+0.5: 1(0,0)
  TOP keep-out circle w1.178: c0,0 r0.5
KY_MAE-10 [mm] "Spacer Nylon Support"
  round 2.8 hole 3 unplated mask+0.102: ""(0,0)
  body extent -3.19,-2.75 3.19,2.75, height 10
Label_650x200 [mil] "Thermal Transfer Label"
  round 1 on Mech13: 0(0,0)
  silkscreen extent -325,-100 325,100, body extent -325,-100 325,100, height 1
LED_SML-LX0603GW [mm] "LUMEX OPTO"
  rect 0.8x0.8 smd: 1(-0.75,0) 2(0.75,0)
  silkscreen extent 1.4,-0.4 1.8,0.4, body extent -0.8,-0.4 0.8,0.4, height 0.6
Molex_1051640001 [mm] "Receptacle, USB 2.0, Micro B, 5 Pos, 0.65mm Pitch, R/A, SMT"
  rrect22% 0.45x1.38 smd: 1(1.3,4.11) 2(0.65,4.11) 3(0,4.11) 4(-0.65,4.11) 5(-1.3,4.11)
  rrect7% 1.475x2.1 smd: 6(-2.462,3.75) 11(2.462,3.75)
  rrect100% 1.4x2.1 hole 0.6 slot 1.3 at 90 deg mask+0.064: 7(-3.95,1.45) 10(3.95,1.45)
  rrect7% 1.375x1.9 smd: 8(-0.937,1.45) 9(0.937,1.45)
  silkscreen extent 1.2,5.1 1.4,5.4, body extent -4.1,-0.7 4.1,4.47, height 2.45
MON0063A [mm] "QFM"
  rrect22% 0.9x0.9 smd paste-0.05 mask-0.05: 1(-11.774,9.524) 2(-11.774,8.255) 3(-11.774,6.985) 4(-11.774,5.715) 5(-11.774,4.445) 6(-11.774,3.175) 7(-11.774,1.905) 8(-11.774,0.635) 9(-11.774,-0.635) 10(-11.774,-1.905) 11(-11.774,-3.175) 12(-11.774,-4.445) 13(-11.774,-5.715) 14(-11.774,-6.985) 15(-11.774,-8.255) 16(-11.774,-9.524) 17(-10.074,-9.524) 18(-8.804,-9.524) 19(-7.534,-9.524) 20(-6.264,-9.524) 21(-4.994,-9.524) 22(-3.724,-9.524) 23(-2.454,-9.524) 24(-1.184,-9.524) 25(0.086,-9.524) 26(1.356,-9.524) 27(2.626,-9.524) 28(4.326,-9.524) 29(4.326,-8.255) 30(4.326,-6.985) 31(4.326,-5.715) 32(4.326,-4.445) 33(4.326,-3.175) 34(4.326,-1.905) 35(4.326,-0.635) 36(4.326,0.635) 37(4.326,1.905) 38(4.326,3.175) 39(4.326,4.445) 40(4.326,5.715) 41(4.326,6.985) 42(4.326,8.255) 43(4.326,9.524) 44(2.626,9.524) 45(1.356,9.524) 46(0.086,9.524) 47(-1.184,9.524) 48(-2.454,9.524) 49(-3.724,9.524) 50(-4.994,9.524) 51(-6.264,9.524) 52(-7.534,9.524) 53(-8.804,9.524) 54(-10.074,9.524)
  rrect11% 0.89x0.89 on Top Paste: 55(-8.774,3.95) 55(-7.674,3.95) 56(-8.774,0.95) 56(-8.774,2.05) 56(-7.674,0.95) 56(-7.674,2.05) 57(-8.774,-2.05) 57(-8.774,-0.95) 57(-7.674,-2.05) 57(-7.674,-0.95) 58(-5.774,3.95) 58(-5.774,5.05) 58(-4.674,3.95) 58(-4.674,5.05) 59(-5.774,2.05) 59(-5.774,0.95) 59(-4.674,2.05) 59(-4.674,0.95) 60(-5.774,-0.95) 60(-5.774,-2.05) 60(-4.674,-0.95) 60(-4.674,-2.05) 61(-2.774,5.05) 61(-2.774,3.95) 61(-1.674,5.05) 61(-1.674,3.95) 62(-2.774,2.05) 62(-2.774,0.95) 62(-1.674,2.05) 62(-1.674,0.95) 63(-2.774,-0.95) 63(-2.774,-2.05) 63(-1.674,-0.95) 63(-1.674,-2.05)
  rrect5% 2x2 smd paste-1 mask-1: 55(-8.224,4.5)
  rrect5% 2x2 smd paste-1 mask+0: 56(-8.224,1.5) 57(-8.224,-1.5) 58(-5.224,4.5) 59(-5.224,1.5) 60(-5.224,-1.5) 61(-2.224,4.5) 62(-2.224,1.5) 63(-2.224,-1.5)
  TOP region: -9.274,-2.45 -9.274,5.45 -9.266,5.488 -9.245,5.521 -9.212,5.542 -9.174,5.55 -9.174,5.55 -1.274,5.55 -1.236,5.542 -1.203,5.521 -1.182,5.488 -1.174,5.45 -1.174,5.45 -1.174,-2.45 -1.182,-2.488 -1.203,-2.521 -1.236,-2.542 -1.274,-2.55 -1.274,-2.55 -9.174,-2.55 -9.212,-2.542 -9.245,-2.521 -9.266,-2.488 -9.274,-2.45
  silkscreen extent -12.75,-10.5 12.75,10.5, body extent -12.5,-10.25 12.5,10.25, height 2.32
PDT0128A [mm] "Thin QFP, 128-Leads, Body 14x14mm, Pitch 0.4mm"
  oval 1.4x0.2 smd: 1(-7.7,6.2) 2(-7.7,5.8) 3(-7.7,5.4) 4(-7.7,5) 5(-7.7,4.6) 6(-7.7,4.2) 7(-7.7,3.8) 8(-7.7,3.4) 9(-7.7,3) 10(-7.7,2.6) 11(-7.7,2.2) 12(-7.7,1.8) 13(-7.7,1.4) 14(-7.7,1) 15(-7.7,0.6) 16(-7.7,0.2) 17(-7.7,-0.2) 18(-7.7,-0.6) 19(-7.7,-1) 20(-7.7,-1.4) 21(-7.7,-1.8) 22(-7.7,-2.2) 23(-7.7,-2.6) 24(-7.7,-3) 25(-7.7,-3.4) 26(-7.7,-3.8) 27(-7.7,-4.2) 28(-7.7,-4.6) 29(-7.7,-5) 30(-7.7,-5.4) 31(-7.7,-5.8) 32(-7.7,-6.2) 65(7.7,-6.2) 66(7.7,-5.8) 67(7.7,-5.4) 68(7.7,-5) 69(7.7,-4.6) 70(7.7,-4.2) 71(7.7,-3.8) 72(7.7,-3.4) 73(7.7,-3) 74(7.7,-2.6) 75(7.7,-2.2) 76(7.7,-1.8) 77(7.7,-1.4) 78(7.7,-1) 79(7.7,-0.6) 80(7.7,-0.2) 81(7.7,0.2) 82(7.7,0.6) 83(7.7,1) 84(7.7,1.4) 85(7.7,1.8) 86(7.7,2.2) 87(7.7,2.6) 88(7.7,3) 89(7.7,3.4) 90(7.7,3.8) 91(7.7,4.2) 92(7.7,4.6) 93(7.7,5) 94(7.7,5.4) 95(7.7,5.8) 96(7.7,6.2)
  oval 0.2x1.4 smd: 33(-6.2,-7.7) 34(-5.8,-7.7) 35(-5.4,-7.7) 36(-5,-7.7) 37(-4.6,-7.7) 38(-4.2,-7.7) 39(-3.8,-7.7) 40(-3.4,-7.7) 41(-3,-7.7) 42(-2.6,-7.7) 43(-2.2,-7.7) 44(-1.8,-7.7) 45(-1.4,-7.7) 46(-1,-7.7) 47(-0.6,-7.7) 48(-0.2,-7.7) 49(0.2,-7.7) 50(0.6,-7.7) 51(1,-7.7) 52(1.4,-7.7) 53(1.8,-7.7) 54(2.2,-7.7) 55(2.6,-7.7) 56(3,-7.7) 57(3.4,-7.7) 58(3.8,-7.7) 59(4.2,-7.7) 60(4.6,-7.7) 61(5,-7.7) 62(5.4,-7.7) 63(5.8,-7.7) 64(6.2,-7.7) 97(6.2,7.7) 98(5.8,7.7) 99(5.4,7.7) 100(5,7.7) 101(4.6,7.7) 102(4.2,7.7) 103(3.8,7.7) 104(3.4,7.7) 105(3,7.7) 106(2.6,7.7) 107(2.2,7.7) 108(1.8,7.7) 109(1.4,7.7) 110(1,7.7) 111(0.6,7.7) 112(0.2,7.7) 113(-0.2,7.7) 114(-0.6,7.7) 115(-1,7.7) 116(-1.4,7.7) 117(-1.8,7.7) 118(-2.2,7.7) 119(-2.6,7.7) 120(-3,7.7) 121(-3.4,7.7) 122(-3.8,7.7) 123(-4.2,7.7) 124(-4.6,7.7) 125(-5,7.7) 126(-5.4,7.7) 127(-5.8,7.7) 128(-6.2,7.7)
  silkscreen extent -7.7,-6.3 6.3,6.99, body extent -8,-8 8,8, height 1.07
PW0014A_N [mm] "TSOP, 14-Leads, Body 5x4.4mm, Pitch 0.65mm, IPC Medium Density"
  oval 1.4x0.45 smd: 1(-2.95,1.95) 2(-2.95,1.3) 3(-2.95,0.65) 4(-2.95,0) 5(-2.95,-0.65) 6(-2.95,-1.3) 7(-2.95,-1.95) 8(2.95,-1.95) 9(2.95,-1.3) 10(2.95,-0.65) 11(2.95,0) 12(2.95,0.65) 13(2.95,1.3) 14(2.95,1.95)
  silkscreen extent -3.4,-2.55 1.85,2.55, body extent -3.21,-2.5 3.21,2.5, height 1
Samtec_FTSH-105-01-x-D-K [mm] "Header, 1.27 mm, 5x2, TH"
  rect 1.05x1.05 hole 0.71 mask+0.064: 1(-0.635,2.54)
  round 1.05 hole 0.71 mask+0.064: 2(0.635,2.54) 3(-0.635,1.27) 4(0.635,1.27) 5(-0.635,0) 6(0.635,0) 7(-0.635,-1.27) 8(0.635,-1.27) 9(-0.635,-2.54) 10(0.635,-2.54)
  silkscreen extent -2.54,-3.17 2.54,3.2, body extent -2.54,-3.17 2.54,3.1, height 5.73
Samtec_FTSH-107-01-x-DV [mm] "Header, 1.27mm, 7x2, SMT"
  rect 2.79x0.74 smd: 1(-2.035,3.81) 2(2.035,3.81) 3(-2.035,2.54) 4(2.035,2.54) 5(-2.035,1.27) 6(2.035,1.27) 7(-2.035,0) 8(2.035,0) 9(-2.035,-1.27) 10(2.035,-1.27) 11(-2.035,-2.54) 12(2.035,-2.54) 13(-2.035,-3.81) 14(2.035,-3.81)
  silkscreen extent -4.04,3.69 -3.79,3.94, body extent -2.94,-4.48 2.9,4.41, height 5.97
SML-31_Red [mm] "Rohm"
  rect 0.8x0.8 smd: 1(-0.825,0) 2(0.825,0)
  silkscreen extent -1.93,-0.76 1.1,0.76, body extent -0.85,-0.45 0.85,0.45, height 0.91
SNT-100-BK-G [mil] "Samtec STEP model"
  round 1 on Mech3: 0(0,0)
  body extent -100,-50 100,50, height 344
SOD-523F [mm] "COMCHIP"
  rect 0.6x0.8 smd paste-0.05: 1(-0.85,0) 2(0.85,0)
  silkscreen extent -1.92,-0.87 1.1,0.88, body extent -0.9,-0.5 0.9,0.5, height 0.85
SOP-8_200MIL [mm] "SOP, 8-Leads, Body 5.28x5.23mm, Pitch 1.27mm"
  rrect15% 1.7x0.65 smd: 1(-3.55,1.905) 2(-3.55,0.635) 3(-3.55,-0.635) 4(-3.55,-1.905) 5(3.55,-1.905) 6(3.55,-0.635) 7(3.55,0.635) 8(3.55,1.905)
  silkscreen extent -2.7,-2.65 2.7,2.9, body extent -2.7,-2.65 2.7,2.65, height 2.16
SOT-23 [mm] "SOT23, 3-Leads, Body 2.9x1.3mm, Pitch 0.95mm, Lead Span 2.5mm, IPC Medium Density"
  rrect50% 1x0.6 smd: 1(-1.2,0.95) 2(-1.2,-0.95) 3(1.2,0)
  silkscreen extent -1.62,-1.5 0.7,1.5, body extent -1.16,-1.45 1.21,1.45, height 1
SOT-363 [mm]
  rect 0.6x0.42 smd mask+0.051: 1(-0.95,0.65) 2(-0.95,0) 3(-0.95,-0.65) 4(0.95,-0.65) 5(0.95,0) 6(0.95,0.65)
  silkscreen extent -0.38,-1.02 0.38,1.02, body extent -1.1,-1.1 1.1,1.1, height 1.12
SSOT-3 [mm] "SuperSOT-3"
  rect 1x1.4 smd: 1(-0.95,-1.1) 2(0.95,-1.1) 3(0,1.1)
  silkscreen extent -1.53,-0.05 1.5,0.77, body extent -1.52,-0.76 1.52,0.76, height 1.12
SW_B3U-3000P [mm] "SMD, 2-Leads, Body 3x2.5mm"
  rrect12% 1.7x0.8 smd: 1(0,1.7) 2(0,-1.7)
  silkscreen extent -1.95,-1.5 1.25,1.5, body extent -1.95,-2 1.25,2, height 1.2
SW_TL3330 [mm] "SMD, 4-Leads, Body 7.8x3.5mm"
  rect 0.9x1.27 smd: 1(-2.1,0.885) 2(2.1,0.885)
  rect 1.45x0.8 smd: 3(-3.375,-1) 4(3.375,-1)
  silkscreen extent -3.45,-1.25 3.45,1.25, body extent -3.9,-2.25 3.9,1.35, height 3.5
Tag_TC2050-NL [mil] "Footprint for Tag-Connect TC2050 No-Legs cables"
  round 31 smd paste-15.75: 1(-25,100) 2(-25,50) 3(-25,0) 4(-25,-50) 5(-25,-100) 6(25,-100) 7(25,-50) 8(25,0) 9(25,50) 10(25,100)
  round 39 hole 39 unplated mask+5: MH1(0,150) MH2(-40,-150) MH3(40,-150)
  silkscreen extent -105,-200 75,200
TESTPOINT [mil]
  round 80 hole 37.99 mask+2.5: 1(0,0)
Testpoint_Keystone_Miniature [mil] "Miniature SMT test point"
  rect 135x70 smd: 1(0,0)
  silkscreen extent -78,-46 78,45, body extent -52,-20 52,20, height 61
TI_Stacked_Overlay_Medium [mil]
  silkscreen extent -576,-136 576,135
TI_Symbol_Overlay_Medium [mil]
  silkscreen extent -125,-122 124,120
WEEE_Minimum [mil] "WEEElie bin"
  silkscreen extent -95,-172 99,104
WL-SMCW_YELLOW [mm] "WURTH"
  rect 0.8x0.8 smd: 1(-0.8,0) 2(0.8,0)
  silkscreen extent -1.9,-0.8 1.2,0.8, body extent -0.85,-0.45 0.85,0.45, height 0.8
WURTH_61300211121 [mm] "Header, 2.54mm, 2x1, TH"
  rect 1.65x1.65 hole 1.15 mask+0.064: 1(-1.27,0)
  round 1.65 hole 1.15 mask+0.064: 2(1.27,0)
  silkscreen extent -2.54,-1.27 2.54,1.27, body extent -2.54,-1.27 2.54,1.27, height 8.54
WURTH_61300311121 [mm] "Header, 2.54mm, 3x1, TH"
  rect 1.65x1.65 hole 1.15 mask+0.064: 1(-2.54,0)
  round 1.65 hole 1.15 mask+0.064: 2(0,0) 3(2.54,0)
  silkscreen extent -3.81,-1.27 3.81,1.27, body extent -3.81,-1.27 3.81,1.27, height 8.54
Wurth_61300621121 [mm] "Header, 2.54mm, 3x2, TH"
  rect 1.6x1.6 hole 1.1 mask+0.064: 1(-1.27,2.54)
  round 1.6 hole 1.1 mask+0.064: 2(1.27,2.54) 3(-1.27,0) 4(1.27,0) 5(-1.27,-2.54) 6(1.27,-2.54)
  silkscreen extent -2.8,-3.82 2.54,3.8, body extent -2.54,-3.82 2.54,3.8, height 7.27
WURTH_61301021121 [mm] "Header, 2.54mm, 5x2, TH"
  rrect25% 1.65x1.65 hole 1.15 mask+0.064: 1(-5.08,-1.27)
  round 1.65 hole 1.15 mask+0.064: 2(-5.08,1.27) 3(-2.54,-1.27) 4(-2.54,1.27) 5(0,-1.27) 6(0,1.27) 7(2.54,-1.27) 8(2.54,1.27) 9(5.08,-1.27) 10(5.08,1.27)
  silkscreen extent -6.35,-2.54 6.35,2.54, body extent -6.35,-2.54 6.35,2.54, height 8.54
XTAL_ABM3 [mm] "Abracon recommended land pattern 12.28.10"
  rect 1.9x2.4 smd: 1(-2.05,0) 2(2.05,0)
  silkscreen extent -2.67,-1.78 2.67,1.78, body extent -2.6,-1.7 2.6,1.7, height 1.3